# KiCad board Phoenixia.kicad_pcb
title: Phoenixia72; date: 2024-05-09; rev: 1; company: James Gzowski
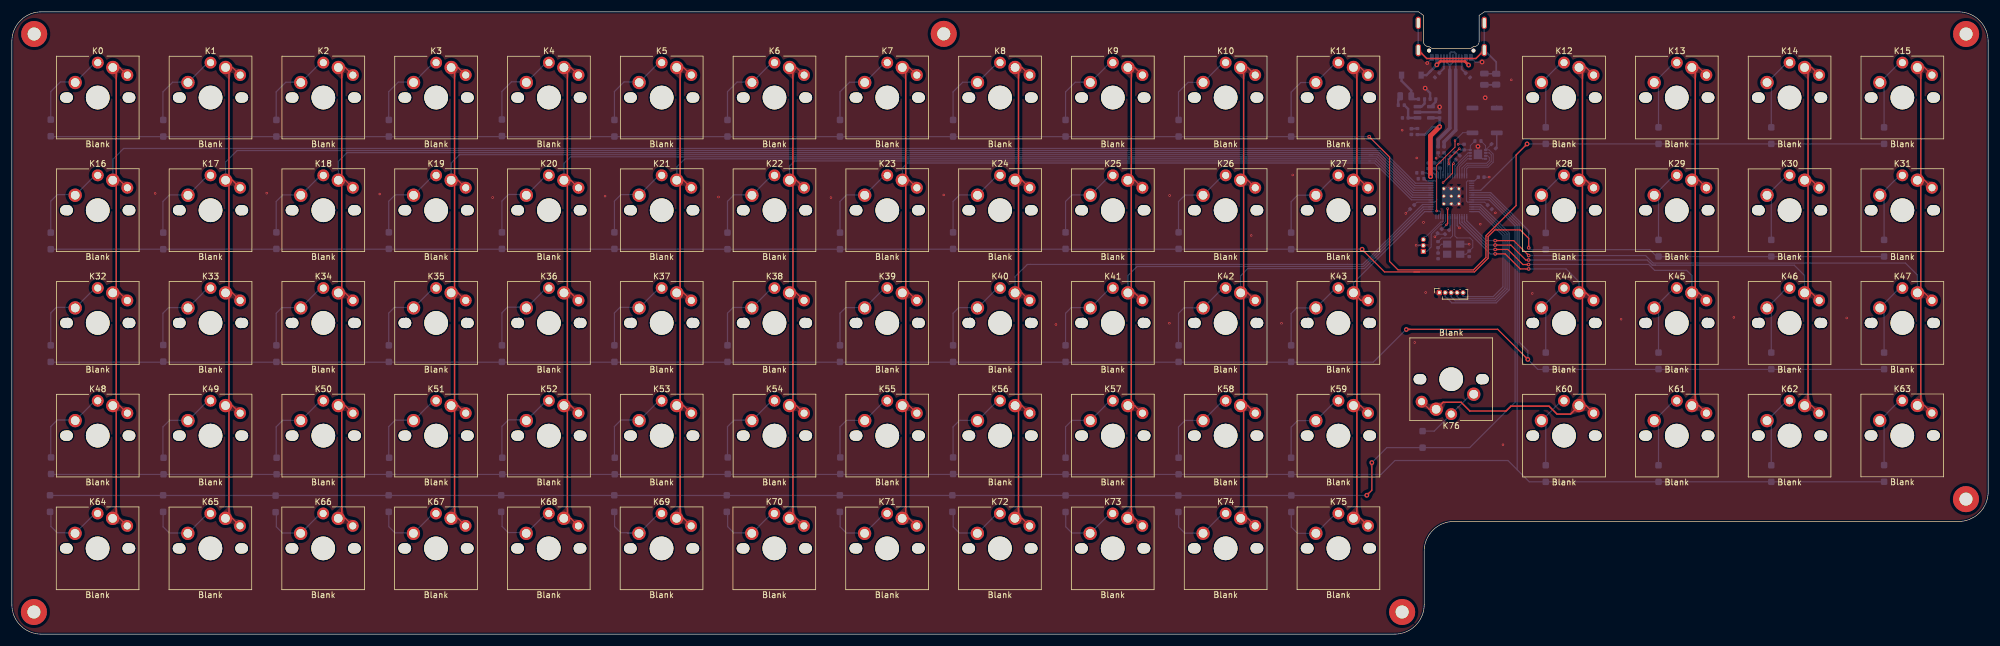
[diagram p0: board, top side]
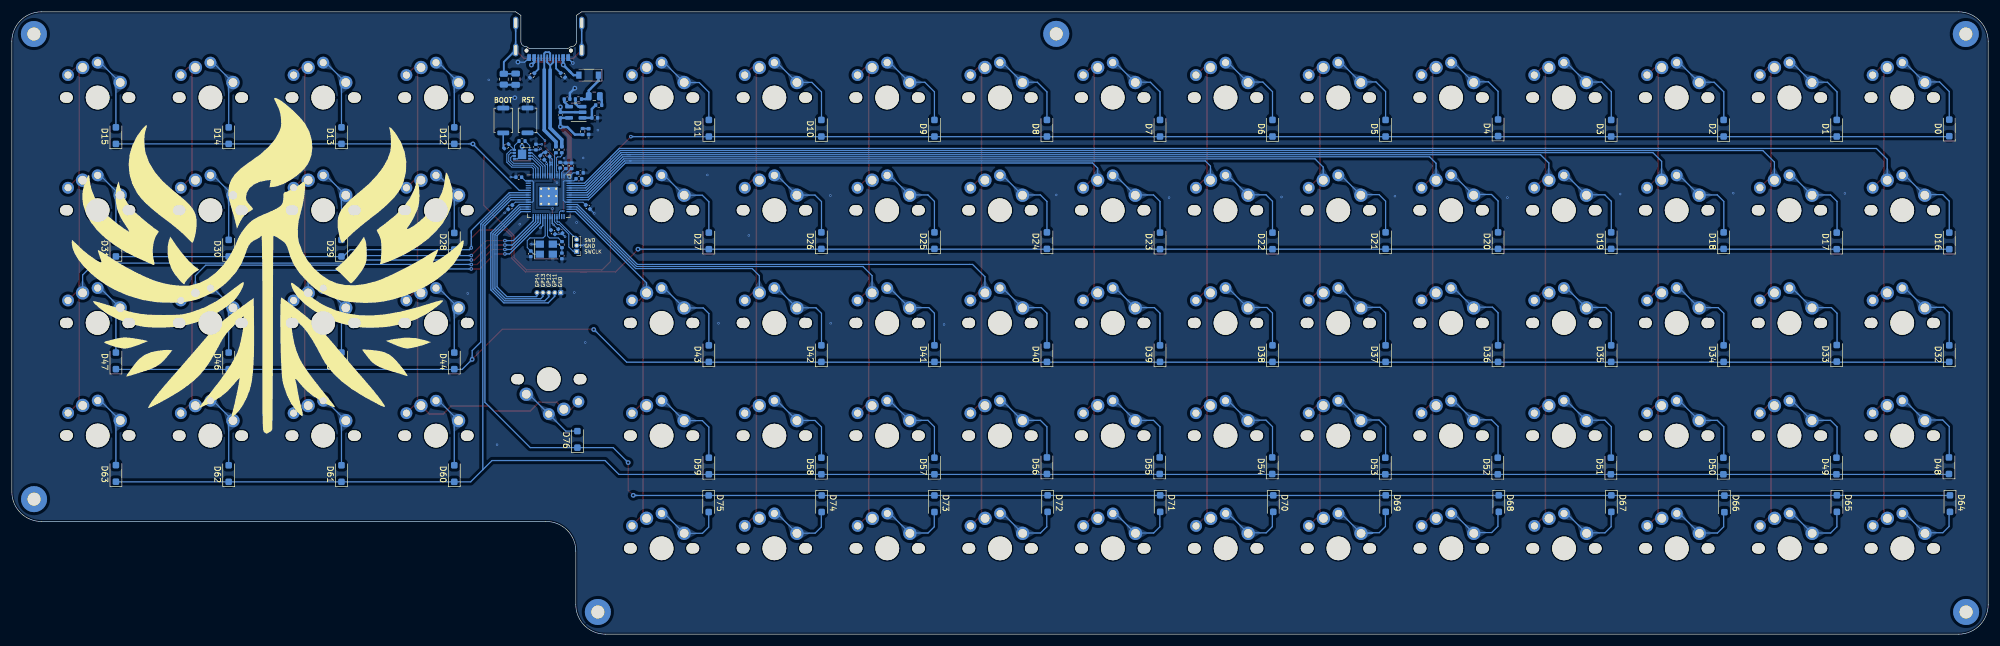
[diagram p1: board, bottom side, seen from below]

Outline 333.8 x 105.2 mm; copper layers: Top, Bottom. Coordinates in mm from the lower left corner of the outline.
Outline path: 238.42,104.61 237.57,105.2 5.05,105.2 arc(1.48,103.75) 0,100.2 0,5.05 arc(1.45,1.48) 5,0 233.5,0 arc(237.07,1.45) 238.55,5 238.55,14.05 arc(240.03,17.6) 243.6,19.05 328.75,19.05 arc(332.32,20.5) 333.8,24.05 333.8,100.15 ; 247.83,104.61 248.7,105.2 328.8,105.2 arc(332.35,103.72) 333.8,100.15
Stack: Top 0.035mm / dielectric 1.51mm FR4 er 4.5 / Bottom 0.035mm

## Placement (name value [footprint] x y rotation side)
C1  10uf 0402  [C_0402_1005Metric]  235.35 87.28 180 bottom
C2  22pf 0402  [C_0402_1005Metric]  246.15 64.3 90 bottom
C3  1uf 0402  [C_0402_1005Metric]  241.2 79.28 90 bottom
C4  10uf 0402  [C_0402_1005Metric]  241.15 87.75 90 bottom
C5  100nf 0402  [C_0402_1005Metric]  245.28 82.34 90 bottom
C6  100nf 0402  [C_0402_1005Metric]  241.15 68.13 225 bottom
C7  100nf 0402  [C_0402_1005Metric]  244.22 80.55 45 bottom
C8  100nf 0402  [C_0402_1005Metric]  242.4 67.96 225 bottom
C9  0.1uf  [C_0805_2012Metric]  248.71 93.81 270 bottom
C10  2.2uF 0402  [C_0402_1005Metric]  240.22 79.18 90 bottom
C11  100nf 0402  [C_0402_1005Metric]  243.32 81.1 45 bottom
C13  100nf 0402  [C_0402_1005Metric]  236.51 72.21 225 bottom
C14  100nf 0402  [C_0402_1005Metric]  249.61 72.18 315 bottom
C15  100nf 0402  [C_0402_1005Metric]  248.18 77.26 0 bottom
C16  100nf 0402  [C_0402_1005Metric]  238.02 76.98 180 bottom
C18  100nf 0402  [C_0402_1005Metric]  237.77 77.98 180 bottom
C19  22pf 0402  [C_0402_1005Metric]  240.89 63.94 90 bottom
C102  2.2uF 0402  [C_0402_1005Metric]  239.25 79.18 90 bottom
CBP1  10uf 0402  [C_0402_1005Metric]  240.02 90.45 180 bottom
D0  D  [D_SOD-123F]  6.58 85.58 90 bottom
D1  D  [D_SOD-123F]  25.58 85.53 90 bottom
D2  D  [D_SOD-123F]  44.67 85.53 90 bottom
D3  D  [D_SOD-123F]  63.67 85.53 90 bottom
D4  D  [D_SOD-123F]  82.77 85.6 90 bottom
D5  D  [D_SOD-123F]  101.77 85.53 90 bottom
D6  D  [D_SOD-123F]  120.88 85.53 90 bottom
D7  D  [D_SOD-123F]  139.88 85.53 90 bottom
D8  D  [D_SOD-123F]  158.97 85.53 90 bottom
D9  D  [D_SOD-123F]  177.97 85.53 90 bottom
D10  D  [D_SOD-123F]  197.07 85.53 90 bottom
D11  D  [D_SOD-123F]  216.07 85.53 90 bottom
D12  D  [D_SOD-123F]  259.07 84.28 90 bottom
D13  D  [D_SOD-123F]  278.12 84.28 90 bottom
D14  D  [D_SOD-123F]  297.18 84.28 90 bottom
D15  D  [D_SOD-123F]  316.22 84.28 90 bottom
D16  D  [D_SOD-123F]  6.58 66.48 90 bottom
D17  D  [D_SOD-123F]  25.58 66.48 90 bottom
D18  D  [D_SOD-123F]  44.67 66.53 90 bottom
D19  D  [D_SOD-123F]  63.67 66.53 90 bottom
D20  D  [D_SOD-123F]  82.77 66.53 90 bottom
D21  D  [D_SOD-123F]  101.77 66.53 90 bottom
D22  D  [D_SOD-123F]  120.88 66.48 90 bottom
D23  D  [D_SOD-123F]  139.88 66.48 90 bottom
D24  D  [D_SOD-123F]  158.97 66.53 90 bottom
D25  D  [D_SOD-123F]  177.97 66.53 90 bottom
D26  D  [D_SOD-123F]  197.07 66.53 90 bottom
D27  D  [D_SOD-123F]  216.07 66.48 90 bottom
D28  D  [D_SOD-123F]  259.07 66.43 90 bottom
D29  D  [D_SOD-123F]  278.12 65.25 90 bottom
D30  D  [D_SOD-123F]  297.18 65.25 90 bottom
D31  D  [D_SOD-123F]  316.22 65.25 90 bottom
D32  D  [D_SOD-123F]  6.58 47.43 90 bottom
D33  D  [D_SOD-123F]  25.58 47.48 90 bottom
D34  D  [D_SOD-123F]  44.67 47.43 90 bottom
D35  D  [D_SOD-123F]  63.67 47.43 90 bottom
D36  D  [D_SOD-123F]  82.77 47.43 90 bottom
D37  D  [D_SOD-123F]  101.77 47.43 90 bottom
D38  D  [D_SOD-123F]  120.88 47.43 90 bottom
D39  D  [D_SOD-123F]  139.88 47.43 90 bottom
D40  D  [D_SOD-123F]  158.97 47.43 90 bottom
D41  D  [D_SOD-123F]  177.97 47.43 90 bottom
D42  D  [D_SOD-123F]  197.07 47.43 90 bottom
D43  D  [D_SOD-123F]  216.07 47.43 90 bottom
D44  D  [D_SOD-123F]  259.07 46.2 90 bottom
D45  D  [D_SOD-123F]  278.12 46.2 90 bottom
D46  D  [D_SOD-123F]  297.18 46.2 90 bottom
D47  D  [D_SOD-123F]  316.22 46.2 90 bottom
D48  D  [D_SOD-123F]  6.63 28.48 90 bottom
D49  D  [D_SOD-123F]  25.63 28.43 90 bottom
D50  D  [D_SOD-123F]  44.73 28.43 90 bottom
D51  D  [D_SOD-123F]  63.73 28.43 90 bottom
D52  D  [D_SOD-123F]  82.83 28.43 90 bottom
D53  D  [D_SOD-123F]  101.83 28.43 90 bottom
D54  D  [D_SOD-123F]  120.92 28.48 90 bottom
D55  D  [D_SOD-123F]  139.93 28.48 90 bottom
D56  D  [D_SOD-123F]  158.97 28.48 90 bottom
D57  D  [D_SOD-123F]  177.97 28.43 90 bottom
D58  D  [D_SOD-123F]  197.07 28.43 90 bottom
D59  D  [D_SOD-123F]  216.07 28.43 90 bottom
D60  D  [D_SOD-123F]  259.07 27.15 90 bottom
D61  D  [D_SOD-123F]  278.12 27.15 90 bottom
D62  D  [D_SOD-123F]  297.18 27.15 90 bottom
D63  D  [D_SOD-123F]  316.22 27.18 90 bottom
D64  D  [D_SOD-123F]  6.45 22.08 270 bottom
D65  D  [D_SOD-123F]  25.55 22.08 270 bottom
D66  D  [D_SOD-123F]  44.55 22.03 270 bottom
D67  D  [D_SOD-123F]  63.65 22.08 270 bottom
D68  D  [D_SOD-123F]  82.65 22.08 270 bottom
D69  D  [D_SOD-123F]  101.75 22.08 270 bottom
D70  D  [D_SOD-123F]  120.75 22.08 270 bottom
D71  D  [D_SOD-123F]  139.85 22.08 270 bottom
D72  D  [D_SOD-123F]  158.85 22.08 270 bottom
D73  D  [D_SOD-123F]  177.97 22.05 270 bottom
D74  D  [D_SOD-123F]  197.02 22.05 270 bottom
D75  D  [D_SOD-123F]  216.1 22.05 270 bottom
D76  D  [D_SOD-123F]  238.27 32.93 90 bottom
D100  1N5817W  [D_SOD-123]  236.38 94.5 0 bottom
DLED1  LED  [D_0402_1005Metric]  236.38 84.96 90 bottom
F1  0805L050WR  [Fuse_0805_2012Metric]  235.43 90.93 0 bottom
FB1  MFBM1V1005-000-R  [R_0402_1005Metric]  234.68 89.43 0 bottom
FLASH1  W25Q16JVUXIQ  [SON-8-1EP_3x2mm_P0.5mm_EP1.4x1.6mm]  247.62 81.11 180 bottom
G***  -  [LOGO]  290.4 63.5 180 bottom
H1  MountingHole  [MountingHole_2.2mm_M2_Pad-Mod]  3.78 101.45 0 top
H2  MountingHole  [MountingHole_2.2mm_M2_Pad-Mod]  234.82 3.75 0 top
H2#2  MountingHole  [MountingHole_2.2mm_M2_Pad-Mod]  157.4 101.48 0 top
H2#3  MountingHole  [MountingHole_2.2mm_M2_Pad-Mod]  330.05 22.83 0 top
H2#4  MountingHole  [MountingHole_2.2mm_M2_Pad-Mod]  330.07 101.45 0 top
H7  MountingHole  [MountingHole_2.2mm_M2_Pad-Mod]  3.73 3.75 0 top
J2  Button  [SW_Push_SPST_NO_Alps_SKRK]  250.8 86.84 90 bottom
J5  Conn_01x03_Male  [PinHeader_1x03_P1.00mm_Vertical]  238.4 64.71 0 bottom
K0  Blank  [SW_Cherry_Choc3_MX_1.00u_PCB]  17.05 95.79 0 top
K1  Blank  [SW_Cherry_Choc3_MX_1.00u_PCB]  36.1 95.79 0 top
K2  Blank  [SW_Cherry_Choc3_MX_1.00u_PCB]  55.15 95.79 0 top
K3  Blank  [SW_Cherry_Choc3_MX_1.00u_PCB]  74.2 95.79 0 top
K4  Blank  [SW_Cherry_Choc3_MX_1.00u_PCB]  93.25 95.79 0 top
K5  Blank  [SW_Cherry_Choc3_MX_1.00u_PCB]  112.3 95.79 0 top
K6  Blank  [SW_Cherry_Choc3_MX_1.00u_PCB]  131.35 95.79 0 top
K7  Blank  [SW_Cherry_Choc3_MX_1.00u_PCB]  150.4 95.79 0 top
K8  Blank  [SW_Cherry_Choc3_MX_1.00u_PCB]  169.45 95.79 0 top
K9  Blank  [SW_Cherry_Choc3_MX_1.00u_PCB]  188.5 95.79 0 top
K10  Blank  [SW_Cherry_Choc3_MX_1.00u_PCB]  207.55 95.79 0 top
K11  Blank  [SW_Cherry_Choc3_MX_1.00u_PCB]  226.6 95.79 0 top
K12  Blank  [SW_Cherry_Choc3_MX_1.00u_PCB]  264.7 95.79 0 top
K13  Blank  [SW_Cherry_Choc3_MX_1.00u_PCB]  283.75 95.79 0 top
K14  Blank  [SW_Cherry_Choc3_MX_1.00u_PCB]  302.8 95.79 0 top
K15  Blank  [SW_Cherry_Choc3_MX_1.00u_PCB]  321.85 95.79 0 top
K16  Blank  [SW_Cherry_Choc3_MX_1.00u_PCB]  17.05 76.74 0 top
K17  Blank  [SW_Cherry_Choc3_MX_1.00u_PCB]  36.1 76.74 0 top
K18  Blank  [SW_Cherry_Choc3_MX_1.00u_PCB]  55.15 76.74 0 top
K19  Blank  [SW_Cherry_Choc3_MX_1.00u_PCB]  74.2 76.74 0 top
K20  Blank  [SW_Cherry_Choc3_MX_1.00u_PCB]  93.25 76.74 0 top
K21  Blank  [SW_Cherry_Choc3_MX_1.00u_PCB]  112.3 76.74 0 top
K22  Blank  [SW_Cherry_Choc3_MX_1.00u_PCB]  131.35 76.74 0 top
K23  Blank  [SW_Cherry_Choc3_MX_1.00u_PCB]  150.4 76.74 0 top
K24  Blank  [SW_Cherry_Choc3_MX_1.00u_PCB]  169.45 76.74 0 top
K25  Blank  [SW_Cherry_Choc3_MX_1.00u_PCB]  188.5 76.74 0 top
K26  Blank  [SW_Cherry_Choc3_MX_1.00u_PCB]  207.55 76.74 0 top
K27  Blank  [SW_Cherry_Choc3_MX_1.00u_PCB]  226.6 76.74 0 top
K28  Blank  [SW_Cherry_Choc3_MX_1.00u_PCB]  264.7 76.74 0 top
K29  Blank  [SW_Cherry_Choc3_MX_1.00u_PCB]  283.75 76.74 0 top
K30  Blank  [SW_Cherry_Choc3_MX_1.00u_PCB]  302.8 76.74 0 top
K31  Blank  [SW_Cherry_Choc3_MX_1.00u_PCB]  321.85 76.74 0 top
K32  Blank  [SW_Cherry_Choc3_MX_1.00u_PCB]  17.05 57.69 0 top
K33  Blank  [SW_Cherry_Choc3_MX_1.00u_PCB]  36.1 57.69 0 top
K34  Blank  [SW_Cherry_Choc3_MX_1.00u_PCB]  55.15 57.69 0 top
K35  Blank  [SW_Cherry_Choc3_MX_1.00u_PCB]  74.2 57.69 0 top
K36  Blank  [SW_Cherry_Choc3_MX_1.00u_PCB]  93.25 57.69 0 top
K37  Blank  [SW_Cherry_Choc3_MX_1.00u_PCB]  112.3 57.69 0 top
K38  Blank  [SW_Cherry_Choc3_MX_1.00u_PCB]  131.35 57.69 0 top
K39  Blank  [SW_Cherry_Choc3_MX_1.00u_PCB]  150.4 57.69 0 top
K40  Blank  [SW_Cherry_Choc3_MX_1.00u_PCB]  169.45 57.69 0 top
K41  Blank  [SW_Cherry_Choc3_MX_1.00u_PCB]  188.5 57.69 0 top
K42  Blank  [SW_Cherry_Choc3_MX_1.00u_PCB]  207.55 57.69 0 top
K43  Blank  [SW_Cherry_Choc3_MX_1.00u_PCB]  226.6 57.69 0 top
K44  Blank  [SW_Cherry_Choc3_MX_1.00u_PCB]  264.7 57.69 0 top
K45  Blank  [SW_Cherry_Choc3_MX_1.00u_PCB]  283.75 57.69 0 top
K46  Blank  [SW_Cherry_Choc3_MX_1.00u_PCB]  302.8 57.69 0 top
K47  Blank  [SW_Cherry_Choc3_MX_1.00u_PCB]  321.85 57.69 0 top
K48  Blank  [SW_Cherry_Choc3_MX_1.00u_PCB]  17.05 38.64 0 top
K49  Blank  [SW_Cherry_Choc3_MX_1.00u_PCB]  36.1 38.64 0 top
K50  Blank  [SW_Cherry_Choc3_MX_1.00u_PCB]  55.15 38.64 0 top
K51  Blank  [SW_Cherry_Choc3_MX_1.00u_PCB]  74.2 38.64 0 top
K52  Blank  [SW_Cherry_Choc3_MX_1.00u_PCB]  93.25 38.64 0 top
K53  Blank  [SW_Cherry_Choc3_MX_1.00u_PCB]  112.3 38.64 0 top
K54  Blank  [SW_Cherry_Choc3_MX_1.00u_PCB]  131.35 38.64 0 top
K55  Blank  [SW_Cherry_Choc3_MX_1.00u_PCB]  150.4 38.64 0 top
K56  Blank  [SW_Cherry_Choc3_MX_1.00u_PCB]  169.45 38.64 0 top
K57  Blank  [SW_Cherry_Choc3_MX_1.00u_PCB]  188.5 38.64 0 top
K58  Blank  [SW_Cherry_Choc3_MX_1.00u_PCB]  207.55 38.64 0 top
K59  Blank  [SW_Cherry_Choc3_MX_1.00u_PCB]  226.6 38.64 0 top
K60  Blank  [SW_Cherry_Choc3_MX_1.00u_PCB]  264.7 38.64 0 top
K61  Blank  [SW_Cherry_Choc3_MX_1.00u_PCB]  283.75 38.64 0 top
K62  Blank  [SW_Cherry_Choc3_MX_1.00u_PCB]  302.8 38.64 0 top
K63  Blank  [SW_Cherry_Choc3_MX_1.00u_PCB]  321.83 38.67 0 top
K64  Blank  [SW_Cherry_Choc3_MX_1.00u_PCB]  17.02 19.58 0 top
K65  Blank  [SW_Cherry_Choc3_MX_1.00u_PCB]  36.08 19.58 0 top
K66  Blank  [SW_Cherry_Choc3_MX_1.00u_PCB]  55.13 19.58 0 top
K67  Blank  [SW_Cherry_Choc3_MX_1.00u_PCB]  74.17 19.58 0 top
K68  Blank  [SW_Cherry_Choc3_MX_1.00u_PCB]  93.23 19.58 0 top
K69  Blank  [SW_Cherry_Choc3_MX_1.00u_PCB]  112.27 19.58 0 top
K70  Blank  [SW_Cherry_Choc3_MX_1.00u_PCB]  131.32 19.58 0 top
K71  Blank  [SW_Cherry_Choc3_MX_1.00u_PCB]  150.38 19.58 0 top
K72  Blank  [SW_Cherry_Choc3_MX_1.00u_PCB]  169.43 19.58 0 top
K73  Blank  [SW_Cherry_Choc3_MX_1.00u_PCB]  188.47 19.58 0 top
K74  Blank  [SW_Cherry_Choc3_MX_1.00u_PCB]  207.55 19.59 0 top
K75  Blank  [SW_Cherry_Choc3_MX_1.00u_PCB]  226.6 19.59 0 top
K76  Blank  [SW_Cherry_Choc3_MX_1.00u_PCB]  240.57 38.02 180 top
R1  1K 0402  [R_0402_1005Metric]  250.27 82.48 315 bottom
R2  10K 0402  [R_0402_1005Metric]  247.62 83.36 0 bottom
R3  27r 0402 resistor  [R_0402_1005Metric]  241.9 81.89 270 bottom
R4  27r 0402 resistor  [R_0402_1005Metric]  240.91 81.89 270 bottom
R5  5.1K 0402  [R_0402_1005Metric]  240.72 94.48 45 bottom
R6  5.1K 0402  [R_0402_1005Metric]  245.93 94.45 135 bottom
R7  100K 0402  [R_0402_1005Metric]  238.1 90.45 180 bottom
R8  330r  [R_0805_2012Metric]  250.71 93.81 270 bottom
R9  1K 0201  [R_0402_1005Metric]  237.4 84.96 270 bottom
R11  1K 0402  [R_0402_1005Metric]  240.88 65.85 270 bottom
REF**  -  [PinSocket_1x05_P1.00mm_Vertical]  241.1 57.73 90 top
Reset  TSA343G00-250J2  [SW_Push_SPST_NO_Alps_SKRK]  246.7 86.85 270 bottom
U1  SOT-23-5 5.5V 3.3V 500mA  [SOT-23-5]  238.55 88.23 0 bottom
U3  RP2040  [RP2040-QFN-56]  243.12 74.03 180 bottom
USB1  TYPE-C-31-M-14  [USB_C_TYPE-C-31-M-14]  243.12 100.31 0 bottom
Y1  3225_4P 12MHz  [Crystal_SMD_3225-4Pin_3.2x2.5mm]  243.52 65.08 180 bottom

## Library data of the parts
C1-C11 C13-C16 C18 C19 C102 CBP1 = -: ki_fp_filters: C_*
D0-D76 D100 = -: ki_fp_filters: TO-???* *_Diode_* *SingleDiode* D_*
DLED1 = -: Description: Light emitting diode; ki_fp_filters: LED* LED_SMD:* LED_THT:*
F1 = -: ki_fp_filters: *polyfuse* *PTC*
FB1 = -: ki_fp_filters: Inductor_* L_* *Ferrite*
FLASH1 = -: Datasheet: http://www.winbond.com/resource-files/w25q32jv%20revg%2003272018%20plus.pdf; ki_fp_filters: WSON*1EP*6x5mm*P1.27mm*
H1 H2#2 H7 = -: ki_fp_filters: MountingHole*
J5 = -: ki_fp_filters: Connector*:*_1x??_*
R1-R8 R11 = -: ki_fp_filters: R_*
R9 = -: Description: Resistor
U1 = -: ki_fp_filters: SOT?23*
U3 = -: LCSC: C2040
USB1 = -: Datasheet: https://datasheet.lcsc.com/szlcsc/1811141824_XKB-Enterprise-U262-161N-4BVC11_C319148.pdf; LCSC: C319148; MPN: U262-161N-4BVC11; Manufacturer: XKB Enterprise; ki_fp_filters: USB*C*Receptacle*
Y1 = -: ki_fp_filters: Crystal*

## Footprints (pads in the part's own frame, mm; a bottom-side part is the same pattern mirrored in y, then rotated)
C_0402_1005Metric
  rrect 0.56x0.62 smd: 1(-0.48,0) 2(0.48,0)
C_0805_2012Metric
  rrect 1x1.45 smd: 1(-0.95,0) 2(0.95,0)
Crystal_SMD_3225-4Pin_3.2x2.5mm
  rect 1.4x1.2 smd: 1(-1.1,-0.85) 2(1.1,-0.85) 3(1.1,0.85) 4(-1.1,0.85)
D_0402_1005Metric
  rrect 0.59x0.64 smd: 1(-0.485,0) 2(0.485,0)
D_SOD-123
  rect 0.9x1.2 smd: 1(-1.65,0) 2(1.65,0)
D_SOD-123F
  rrect 1.1x1.1 smd: 1(-1.4,0) 2(1.4,0)
Fuse_0805_2012Metric
  rrect 0.975x1.4 smd: 1(-0.938,0) 2(0.938,0)
MountingHole_2.2mm_M2_Pad-Mod
  round 4.4 hole 2.2: 1(0,0)
PinHeader_1x03_P1.00mm_Vertical
  rect 0.85x0.85 hole 0.5: 1(0,0)
  oval 0.85x0.85 hole 0.5: 2(0,-1) 3(0,-2)
PinSocket_1x05_P1.00mm_Vertical
  rect 0.85x0.85 hole 0.5: 1(0,0)
  oval 0.85x0.85 hole 0.5: 2(0,-1) 3(0,-2) 4(0,-3) 5(0,-4)
R_0402_1005Metric
  rrect 0.54x0.64 smd: 1(-0.51,0) 2(0.51,0)
R_0805_2012Metric
  rrect 1.025x1.4 smd: 1(-0.912,0) 2(0.912,0)
RP2040-QFN-56
  rrect 1.084x1.084 smd: (-0.637,-0.637) (-0.637,0.637) (0.637,-0.637) (0.637,0.637)
  rrect 0.875x0.2 smd: 1(-3.438,2.6) 2(-3.438,2.2) 3(-3.438,1.8) 4(-3.438,1.4) 5(-3.438,1) 6(-3.438,0.6) 7(-3.438,0.2) 8(-3.438,-0.2) 9(-3.438,-0.6) 10(-3.438,-1) 11(-3.438,-1.4) 12(-3.438,-1.8) 13(-3.438,-2.2) 14(-3.438,-2.6) 29(3.438,-2.6) 30(3.438,-2.2) 31(3.438,-1.8) 32(3.438,-1.4) 33(3.438,-1) 34(3.438,-0.6) 35(3.438,-0.2) 36(3.438,0.2) 37(3.438,0.6) 38(3.438,1) 39(3.438,1.4) 40(3.438,1.8) 41(3.438,2.2) 42(3.438,2.6)
  rrect 0.2x0.875 smd: 15(-2.6,-3.438) 16(-2.2,-3.438) 17(-1.8,-3.438) 18(-1.4,-3.438) 19(-1,-3.438) 20(-0.6,-3.438) 21(-0.2,-3.438) 22(0.2,-3.438) 23(0.6,-3.438) 24(1,-3.438) 25(1.4,-3.438) 26(1.8,-3.438) 27(2.2,-3.438) 28(2.6,-3.438) 43(2.6,3.438) 44(2.2,3.438) 45(1.8,3.438) 46(1.4,3.438) 47(1,3.438) 48(0.6,3.438) 49(0.2,3.438) 50(-0.2,3.438) 51(-0.6,3.438) 52(-1,3.438) 53(-1.4,3.438) 54(-1.8,3.438) 55(-2.2,3.438) 56(-2.6,3.438)
  round 0.6 hole 0.35: 57(-1.275,-1.275) 57(-1.275,0) 57(-1.275,1.275) 57(0,-1.275) 57(0,0) 57(0,1.275) 57(1.275,-1.275) 57(1.275,0) 57(1.275,1.275)
  rrect 3.2x3.2 smd: 57(0,0)
SON-8-1EP_3x2mm_P0.5mm_EP1.4x1.6mm
  rrect 0.56x0.64 smd: (-0.35,-0.4) (-0.35,0.4) (0.35,-0.4) (0.35,0.4)
  rrect 0.525x0.35 smd: 1(-1.288,0.75) 2(-1.288,0.25) 3(-1.288,-0.25) 4(-1.288,-0.75) 5(1.288,-0.75) 6(1.288,-0.25) 7(1.288,0.25) 8(1.288,0.75)
  rect 1.4x1.6 smd: 9(0,0)
SOT-23-5
  rrect 1.325x0.6 smd: 1(-1.137,0.95) 2(-1.137,0) 3(-1.137,-0.95) 4(1.137,-0.95) 5(1.137,0.95)
SW_Cherry_Choc3_MX_1.00u_PCB
  round 1.7 hole 1.7 unplated: (-8.04,-5.08) (2.96,-5.08)
  round 1.75 hole 1.75 unplated: (-7.62,-5.08) (2.54,-5.08)
  round 4 hole 4 unplated: (-2.54,-5.08)
  round 2.25 hole 1.47: 1(0,0)
  round 2 hole 1.2: 1(2.46,-1.28) 2(-2.54,0.82)
  oval 2.25x2.25 hole 1.47: 2(-6.35,-2.54)
SW_Push_SPST_NO_Alps_SKRK
  rrect 0.8x2 smd: 1(-2.1,0) 2(2.1,0)
USB_C_TYPE-C-31-M-14
  round 0.65 hole 0.65 unplated: (-3.75,1.66) (3.75,1.66)
  rect 0.6x1.1 smd: A1(-3.3,2.86) A4(-2.45,2.86) A9(2.45,2.86) A12(3.3,2.86) B1(3.3,2.86) B4(2.45,2.86) B9(-2.45,2.86) B12(-3.3,2.86)
  rect 0.3x1.1 smd: A5(-1.25,2.86) A6(-0.25,2.86) A7(0.25,2.86) A8(1.25,2.86) B5(1.75,2.86) B6(0.75,2.86) B7(-0.75,2.86) B8(-1.75,2.86)
  oval 0.9x2.1 hole 0.5x1.7: S1(-5.575,-3.02) S1(-5.575,1.58) S1(5.575,-3.02) S1(5.575,1.58)

## Nets
3V3_EN: R7.1 U1.3
+1V1: C3.1 C6.1 C7.1 U3.23 U3.45 U3.50
+3V3: C4.1 C5.1 C8.1 C10.1 C11.1 C13.1 C14.1 C15.1 C16.1 C18.1 C102.1 FLASH1.8 R2.1 R9.2 U1.5 U3.1 U3.10 U3.22 U3.33 U3.42 U3.43 U3.44 U3.48 U3.49
GND: C1.2 C2.1 C3.2 C4.2 C5.2 C6.2 C7.2 C8.2 C9.2 C10.2 C11.2 C13.2 C14.2 C15.2 C16.2 C18.2 C19.1 C102.2 CBP1.2 DLED1.1 FLASH1.4 FLASH1.9 J2.2 J5.2 R5.1 R6.1 R8.2 REF**.1 Reset.1 U1.2 U3.19 U3.57 USB1.A1 USB1.A12 USB1.B1 USB1.B12 Y1.2 Y1.4
VBUS: D100.2 USB1.A4 USB1.A9 USB1.B4 USB1.B9
/GPIO0: U3.2
/GPIO1: U3.3
/QSPI_SCLK: FLASH1.6 U3.52
/QSPI_SD0: FLASH1.5 U3.53
/QSPI_SD1: FLASH1.2 U3.55
/QSPI_SD2: FLASH1.3 U3.54
/QSPI_SD3: FLASH1.7 U3.51
/QSPI_SS: FLASH1.1 R1.1 R2.2 U3.56
/RUN: Reset.2 U3.26
/SWCLK: J5.1 U3.24
/SWD: J5.3 U3.25
/~{USB_BOOT}: J2.1 R1.2
Col_0: K0.1 K16.1 K32.1 K48.1 K64.1 U3.41
Col_1: K1.1 K17.1 K33.1 K49.1 K65.1 U3.40
Col_2: K2.1 K18.1 K34.1 K50.1 K66.1 U3.39
Col_3: K3.1 K19.1 K35.1 K51.1 K67.1 U3.38
Col_4: K4.1 K20.1 K36.1 K52.1 K68.1 U3.37
Col_5: K5.1 K21.1 K37.1 K53.1 K69.1 U3.36
Col_6: K6.1 K22.1 K38.1 K54.1 K70.1 U3.35
Col_7: K7.1 K23.1 K39.1 K55.1 K71.1 U3.34
Col_8: K8.1 K24.1 K40.1 K56.1 K72.1 U3.32
Col_9: K9.1 K25.1 K41.1 K57.1 K73.1 U3.31
Col_10: K10.1 K26.1 K42.1 K58.1 K74.1 U3.30
Col_11: K11.1 K27.1 K43.1 K59.1 K75.1 U3.29
Col_12: K12.1 K28.1 K44.1 K60.1 K76.1 U3.18
Col_13: K13.1 K29.1 K45.1 K61.1 U3.17
Col_14: K14.1 K30.1 K46.1 K62.1 U3.16
Col_15: K15.1 K31.1 K47.1 K63.1 U3.15
Row_0: D0.1 D1.1 D2.1 D3.1 D4.1 D5.1 D6.1 D7.1 D8.1 D9.1 D10.1 D11.1 D12.1 D13.1 D14.1 D15.1 U3.5
Row_1: D16.1 D17.1 D18.1 D19.1 D20.1 D21.1 D22.1 D23.1 D24.1 D25.1 D26.1 D27.1 D28.1 D29.1 D30.1 D31.1 U3.6
Row_2: D32.1 D33.1 D34.1 D35.1 D36.1 D37.1 D38.1 D39.1 D40.1 D41.1 D42.1 D43.1 D44.1 D45.1 D46.1 D47.1 U3.7
Row_3: D48.1 D49.1 D50.1 D51.1 D52.1 D53.1 D54.1 D55.1 D56.1 D57.1 D58.1 D59.1 D60.1 D61.1 D62.1 D63.1 U3.8
Row_4: D64.1 D65.1 D66.1 D67.1 D68.1 D69.1 D70.1 D71.1 D72.1 D73.1 D74.1 D75.1 D76.1 U3.9
SPARE1: REF**.2 U3.11
SPARE2: REF**.3 U3.12
SPARE3: REF**.4 U3.13
SPARE4: REF**.5 U3.14
SPARE5: U3.27
SPARE6: U3.28
SPARE7: U3.4
USB_D+: R3.1 USB1.A6 USB1.B6
USB_D-: R4.1 USB1.A7 USB1.B7
VSYS: D100.1 F1.2 R7.2
XIN: C2.2 U3.20 Y1.1
XOUT: R11.1 U3.21
Net-(C19-Pad2): C19.2 R11.2 Y1.3
Net-(D0-A): D0.2 K0.2
Net-(D1-A): D1.2 K1.2
Net-(D2-A): D2.2 K2.2
Net-(D3-A): D3.2 K3.2
Net-(D4-A): D4.2 K4.2
Net-(D5-A): D5.2 K5.2
Net-(D6-A): D6.2 K6.2
Net-(D7-A): D7.2 K7.2
Net-(D8-A): D8.2 K8.2
Net-(D9-A): D9.2 K9.2
Net-(D10-A): D10.2 K10.2
Net-(D11-A): D11.2 K11.2
Net-(D12-A): D12.2 K12.2
Net-(D13-A): D13.2 K13.2
Net-(D14-A): D14.2 K14.2
Net-(D15-A): D15.2 K15.2
Net-(D16-A): D16.2 K16.2
Net-(D17-A): D17.2 K17.2
Net-(D18-A): D18.2 K18.2
Net-(D19-A): D19.2 K19.2
Net-(D20-A): D20.2 K20.2
Net-(D21-A): D21.2 K21.2
Net-(D22-A): D22.2 K22.2
Net-(D23-A): D23.2 K23.2
Net-(D24-A): D24.2 K24.2
Net-(D25-A): D25.2 K25.2
Net-(D26-A): D26.2 K26.2
Net-(D27-A): D27.2 K27.2
Net-(D28-A): D28.2 K28.2
Net-(D29-A): D29.2 K29.2
Net-(D30-A): D30.2 K30.2
Net-(D31-A): D31.2 K31.2
Net-(D32-A): D32.2 K32.2
Net-(D33-A): D33.2 K33.2
Net-(D34-A): D34.2 K34.2
Net-(D35-A): D35.2 K35.2
Net-(D36-A): D36.2 K36.2
Net-(D37-A): D37.2 K37.2
Net-(D38-A): D38.2 K38.2
Net-(D39-A): D39.2 K39.2
Net-(D40-A): D40.2 K40.2
Net-(D41-A): D41.2 K41.2
Net-(D42-A): D42.2 K42.2
Net-(D43-A): D43.2 K43.2
Net-(D44-A): D44.2 K44.2
Net-(D45-A): D45.2 K45.2
Net-(D46-A): D46.2 K46.2
Net-(D47-A): D47.2 K47.2
Net-(D48-A): D48.2 K48.2
Net-(D49-A): D49.2 K49.2
Net-(D50-A): D50.2 K50.2
Net-(D51-A): D51.2 K51.2
Net-(D52-A): D52.2 K52.2
Net-(D53-A): D53.2 K53.2
Net-(D54-A): D54.2 K54.2
Net-(D55-A): D55.2 K55.2